# Altium PCB rezerv.PcbDoc (part 1 of 2)
Units mm, origin at the board's own origin, x right, y up, seen from the top; angles counter-clockwise.
Board outline 180 x 100 mm, 4 copper layers (Top Layer 1, Signal1, Signal2, Bottom Layer 1), stack 2.572 mm thick; 321 components, 212 nets, 1103 pads, 27 vias.
Unrouted connection lines stored in the file: 320.
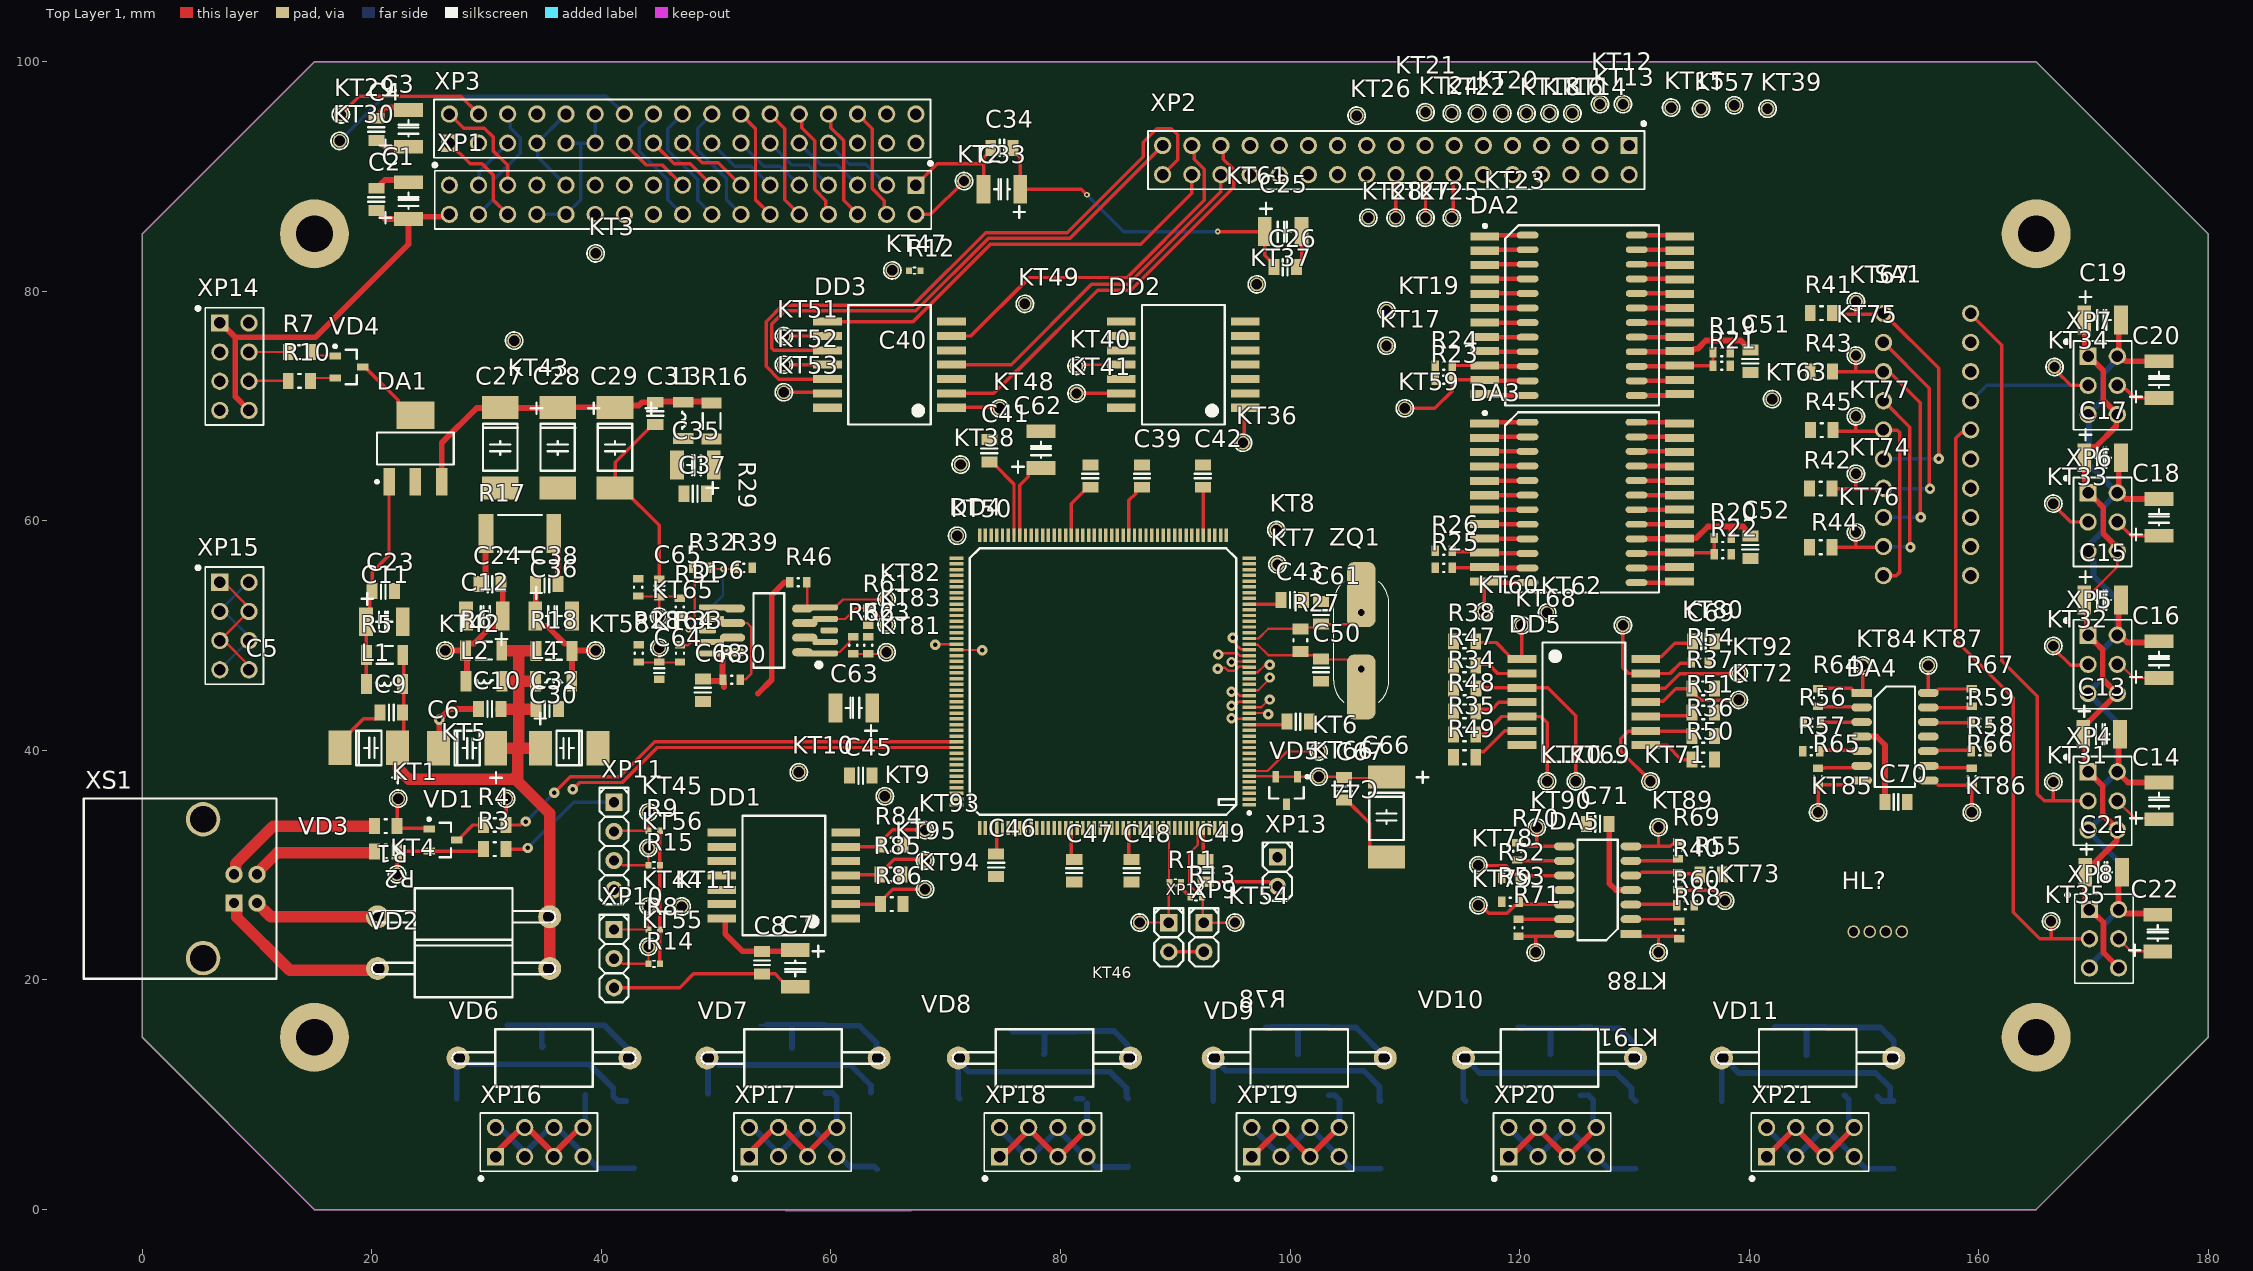
[diagram p0: Top Layer 1 view]
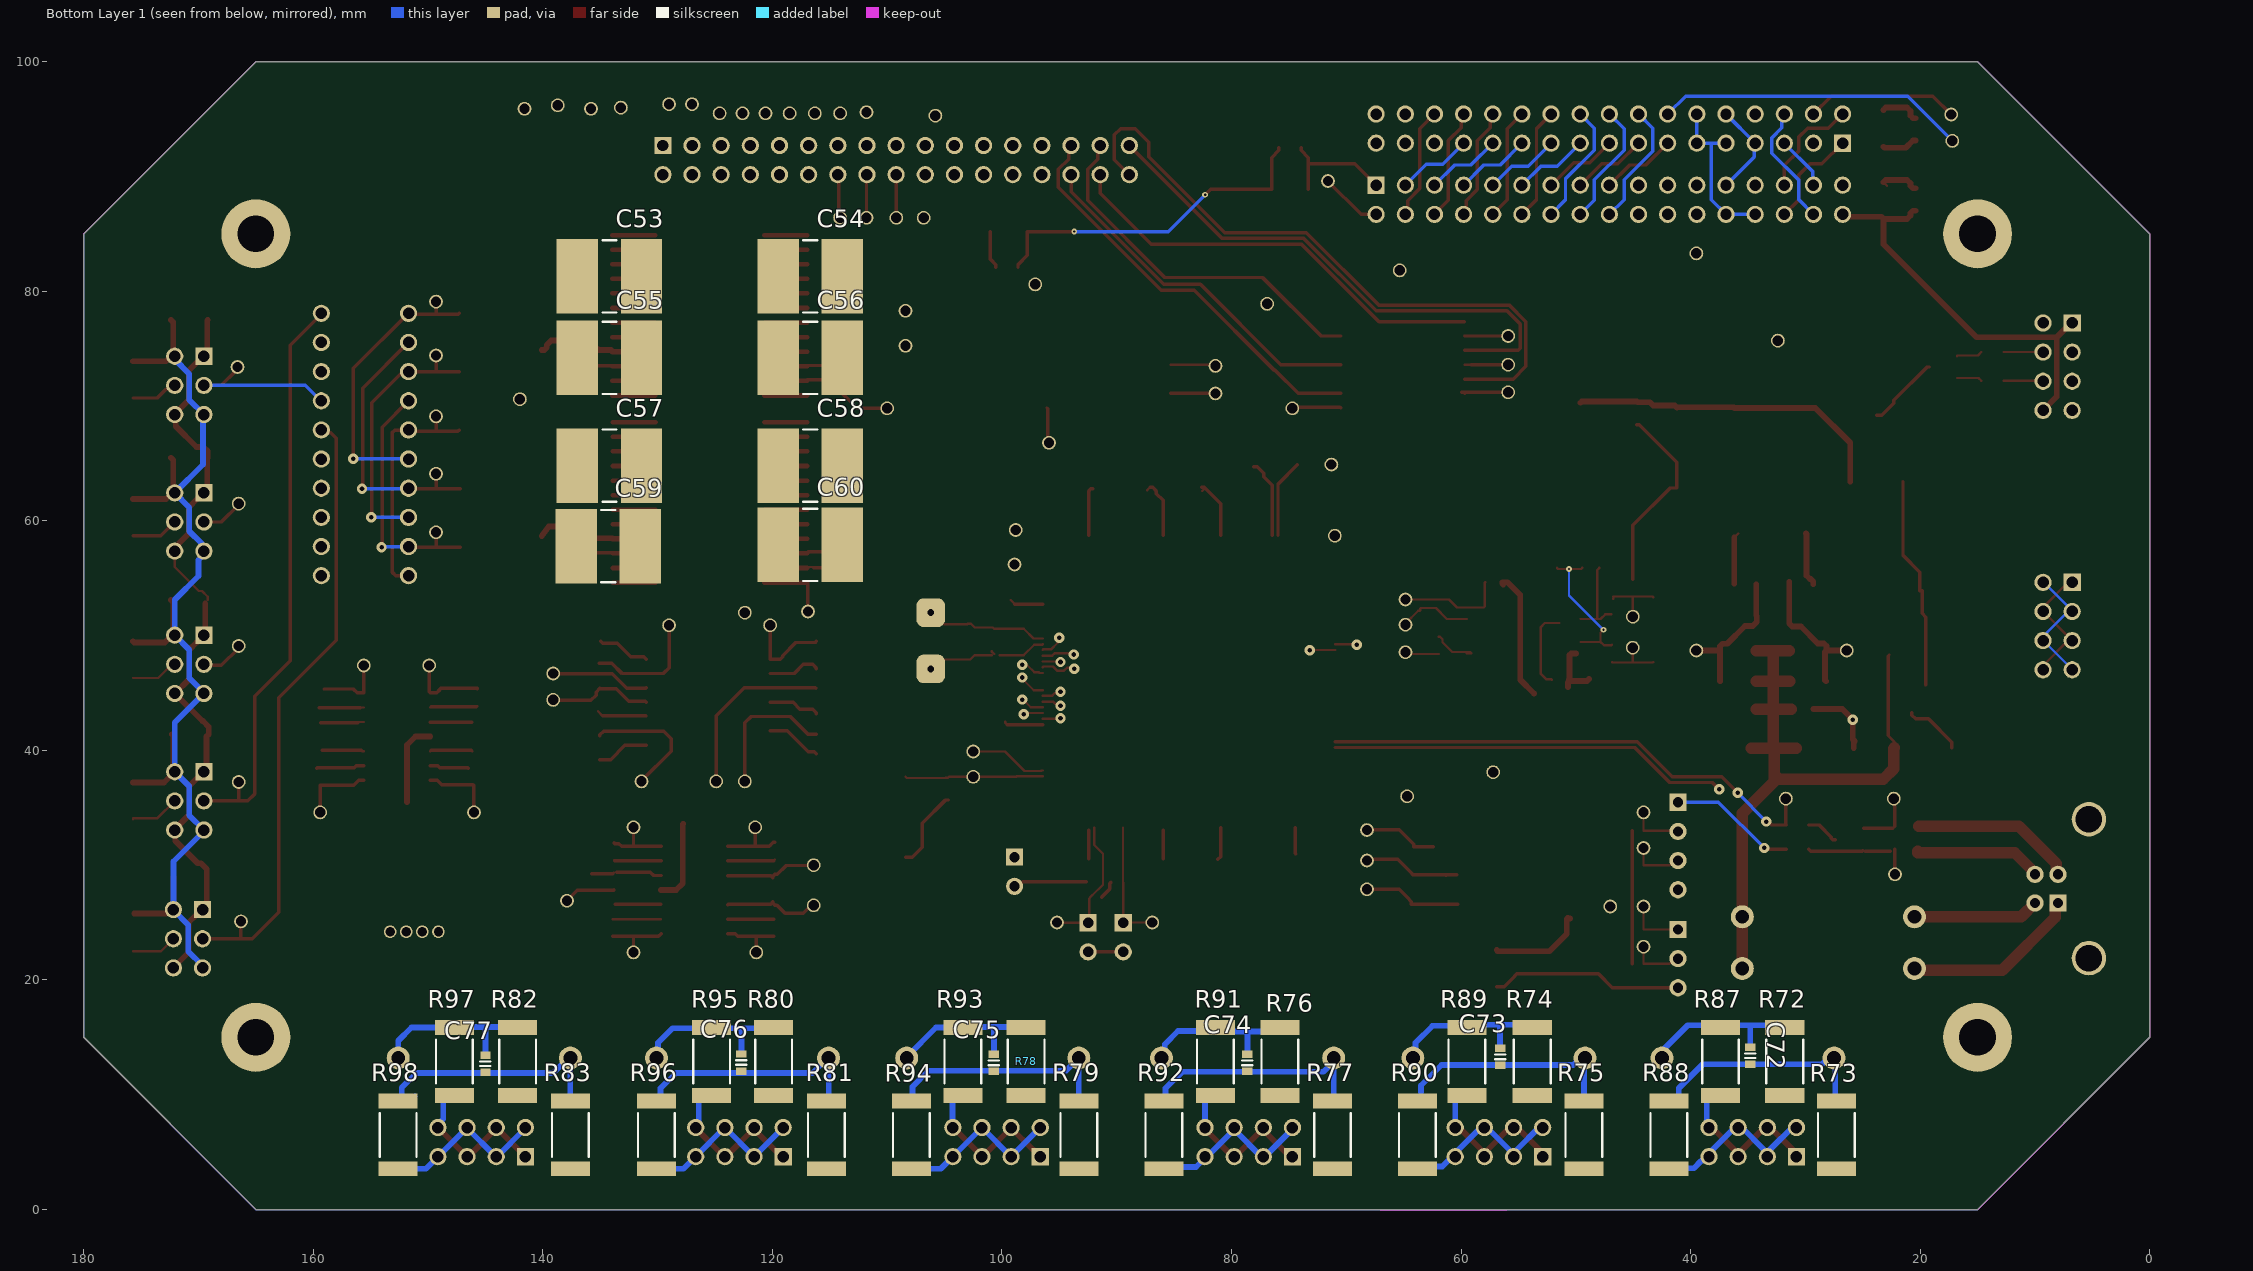
[diagram p1: Bottom Layer 1 view, seen from below]
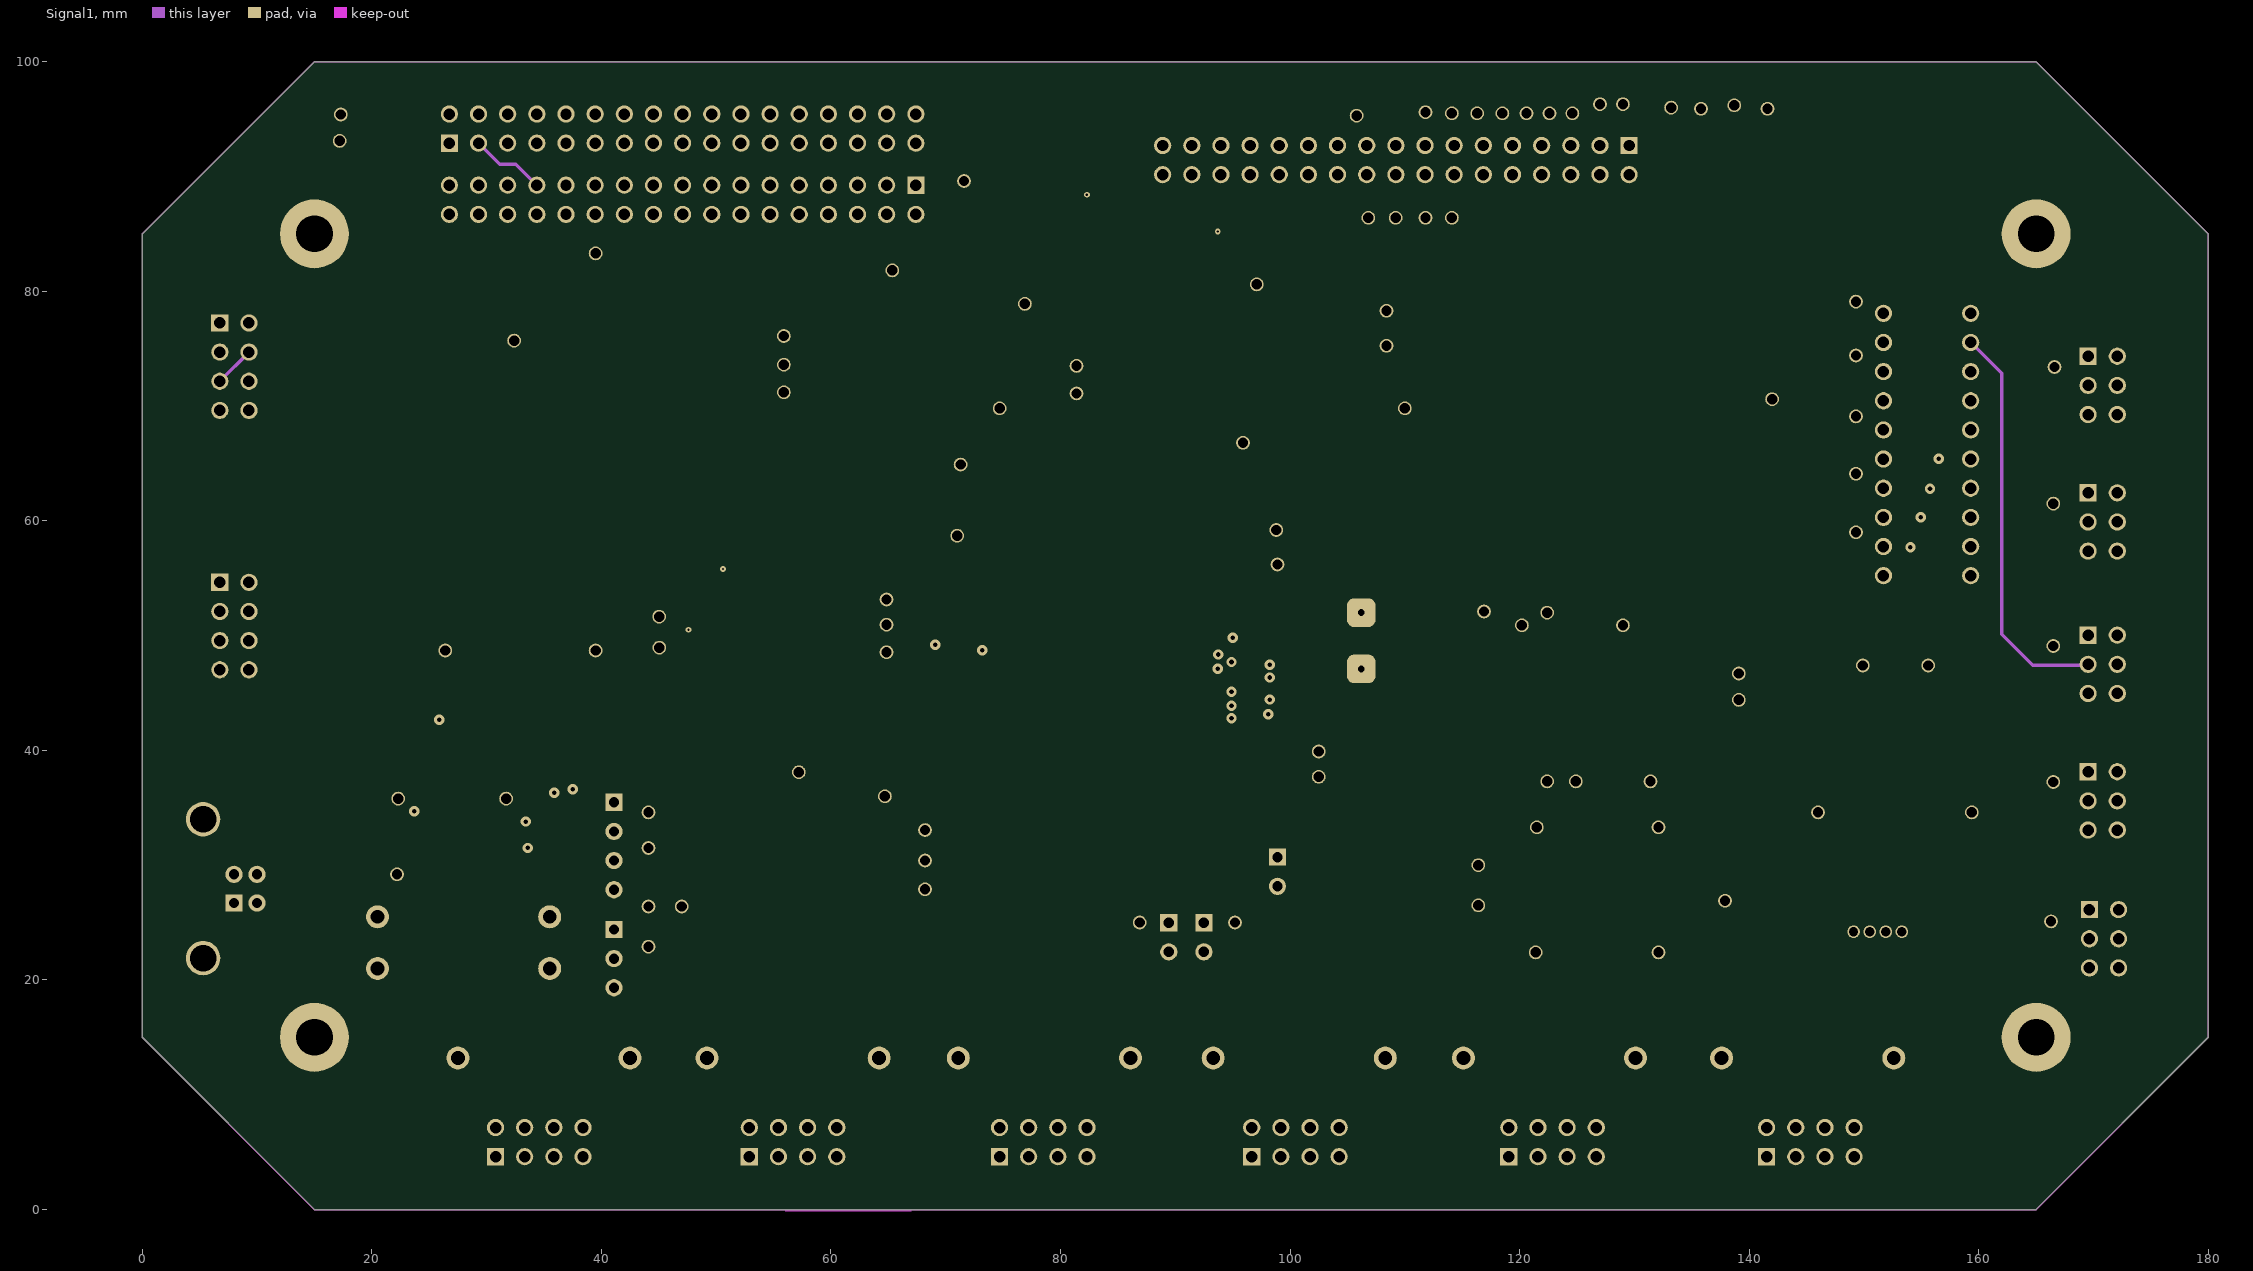
[diagram p2: Signal1]
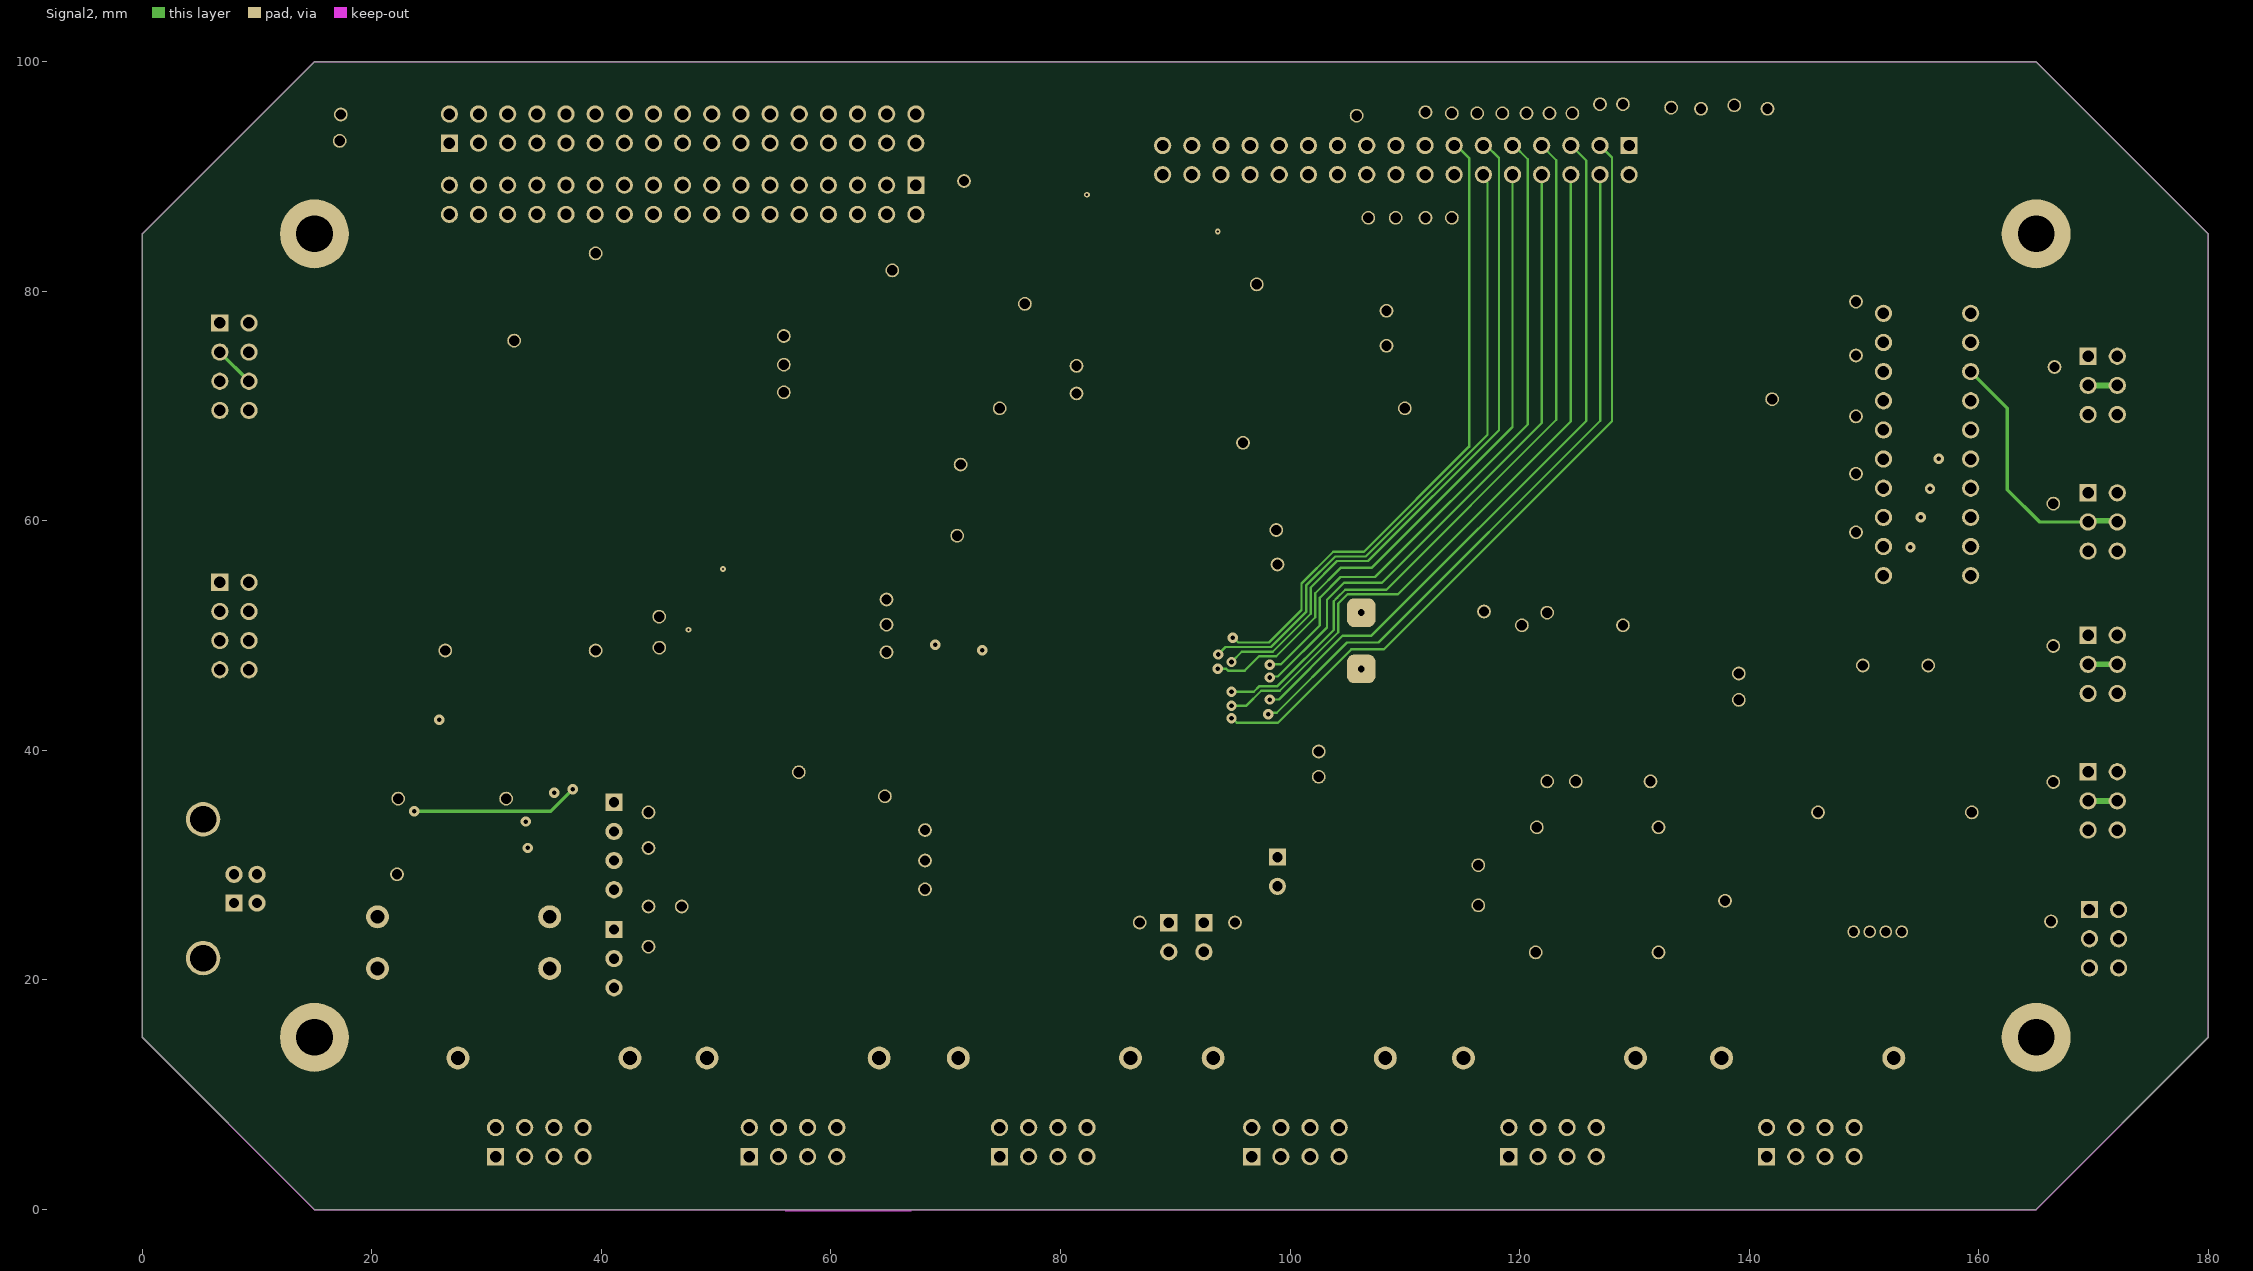
[diagram p3: Signal2]

## Layer stack, top to bottom
Top Solder: solder mask 0.0102, Solder Resist, Dk 3.5
Top Layer 1: signal copper 0.018
Dielectric 2: core 1, PP-006, Dk 4.1
Signal1: signal copper 0.018
Dielectric 1: prepreg 0.5, FR-4, Dk 4.8
Signal2: signal copper 0.018
Dielectric 3: core 1, PP-006, Dk 4.1
Bottom Layer 1: signal copper 0.018
Bottom Solder: solder mask 0.0102, Solder Resist, Dk 3.5

## Board outline
0,15 15,0 165,0 180,15 180,85 165,100 15,100 0,85

## Design rules (kind name [scope] priority, off if disabled: settings)
Clearance [All] p1: gap=0.2 ignorepadtopadclearanceinfootprint=FALSE except(0: Arc-Hole Track-Hole SMDPad-Hole THPad-Hole Via-Hole Fill-Hole Poly-Hole Region-Hole Text-Hole)
PlaneConnect [All] p1: planeconnectstyle=Direct reliefexpansion=0.508 reliefentries=4 reliefconductorwidth=0.254 reliefairgap=0.254
PolygonConnect [All] p1: connectstyle=Direct reliefconductorwidth=0.254 reliefentries=4 polygonreliefangle="90 Angle" airgapwidth=0.254
RoutingVias [All] p1: holewidth=0.3 width=0.7 viastyle="Through Hole" minholewidth=0.2 minwidth=0.5 maxholewidth=0.7 maxwidth=1.5
SolderMaskExpansion [All] p1: expansion=0.05 istentingtop=FALSE
Width Width_1 [All] p1: maxlimit=1 minlimit=0.15 preferedwidth=0.3
29 further rules are at their usual default settings.

## Components (designator, comment, footprint, x,y, rotation, side; value= is the part's Value field where it differs from the comment)
C1 "PolCap" CapCaseB 23.2,87.9 r0 top value=4,7мк
C2 "Capacitor" Cap0805 20.4,88 r0 top value=0,1мк
C3 "PolCap" CapCaseB 23.2,94.2 r0 top value=4,7мк
C4 "Capacitor" Cap0805 20.4,94.1 r0 top value=0,1мк
C5 "PolCap" CapCaseC 19.742,40.216 r90 top value=22мк
C6 "PolCap" CapCaseC 28.3,40.2 r90 top value=22мк
C7 "PolCap" CapCaseB 56.9,21 r180 top value=4,7мк
C8 "Capacitor" Cap0805 54,21.5 r0 top value=0,1мк
C9 "Capacitor" Cap0805 21.7,43.3 r90 top value=0,1мкФ
C10 "Capacitor" Cap0805 30.275,43.6 r90 top value=0,1мкФ
C11 "PolCap" CapCaseB 21.1,51.2 r270 top value=4,7мк
C12 "PolCap" CapCaseB 29.8,51.7 r90 top value=4,7мк
C13 "PolCap" CapCaseB 170.7,41.4 r270 top value=4,7мк
C14 "PolCap" CapCaseB 175.7,35.6 r0 top value=2,2мк
C15 "PolCap" CapCaseB 170.8,53.1 r270 top value=4,7мк
C16 "PolCap" CapCaseB 175.7,47.9 r0 top value=2,2мк
C17 "PolCap" CapCaseB 170.8,65.5 r270 top value=4,7мк
C18 "PolCap" CapCaseB 175.7,60.3 r0 top value=2,2мк
C19 "PolCap" CapCaseB 170.8,77.5 r270 top value=4,7мк
C20 "PolCap" CapCaseB 175.7,72.3 r0 top value=2,2мк
C21 "PolCap" CapCaseB 170.885,29.388 r270 top value=4,7мк
C22 "PolCap" CapCaseB 175.585,24.088 r0 top value=2,2мк
C23 "Capacitor" Cap0805 21,53.9 r270 top value=0,1мкФ
C24 "Capacitor" Cap0805 30.292,54.483 r90 top value=0,1мкФ
C25 "PolCap" CapCaseB 99.4,85.2 r270 top value=4,7мк
C26 "Capacitor" Cap0805 99.575,82.1 r90 top value=0,1мк
C27 "PolCap" CapCaseD 31.193,66.358 r180 top value=330мк
C28 "PolCap" CapCaseD 36.193,66.358 r180 top value=330мк
C29 "PolCap" CapCaseD 41.193,66.358 r180 top value=330мк
C30 "PolCap" CapCaseC 37.2,40.2 r270 top value=22мк
C31 "Capacitor" Cap0805 44.693,69.358 r180 top value=0,1мкФ
C32 "Capacitor" Cap0805 35.275,43.6 r270 top value=0,1мкФ
C33 "PolCap" CapCaseB 74.9,88.9 r90 top value=4,7мк
C34 "Capacitor" Cap0805 74.9,92.5 r270 top value=0,1мк
C35 "PolCap" CapCaseB 48.193,64.858 r90 top value=4,7мк
C36 "PolCap" CapCaseB 35.837,51.712 r270 top value=4,7мк
C37 "Capacitor" Cap0805 48.168,62.358 r90 top value=0,1мкФ
C38 "Capacitor" Cap0805 35.251,54.483 r270 top value=0,1мкФ
C39 "Capacitor" Cap0805 87.1,63.9 r0 top value=0,1мк
C40 "Capacitor" Cap0805 82.6,63.9 r0 top value=0,1мк
C41 "Capacitor" Cap0805 73.8,66.1 r0 top value=0,1мк
C42 "Capacitor" Cap0805 92.4,63.9 r0 top value=0,1мк
C43 "Capacitor" Cap0805 100.2,53.1 r270 top value=0,1мк
C44 "Capacitor" Cap0805 100.7,42.5 r270 top value=0,1мк
C45 "Capacitor" Cap0805 62.6,37.8 r90 top value=0,1мк
C46 "Capacitor" Cap0805 74.4,30 r180 top value=0,1мк
C47 "Capacitor" Cap0805 81.2,29.525 r180 top value=0,1мк
C48 "Capacitor" Cap0805 86.2,29.525 r180 top value=0,1мк
C49 "Capacitor" Cap0805 92.647,29.534 r180 top value=0,01мк
C50 "Capacitor" Cap0805 102.7,47 r180 top value=16
C51 "Capacitor" Cap0805 140.1,73.9 r0 top value=0,1мкФ
C52 "Capacitor" Cap0805 140.1,57.7 r0 top value=0,1мкФ
C53 "Capacitor" CAP8060M 134.2,81.3 r180 bottom value=2,2мк
C54 "Capacitor" CAP8060M 116.7,81.3 r0 bottom value=2,2мк
C55 "Capacitor" CAP8060M 134.2,74.2 r180 bottom value=2,2мк
C56 "Capacitor" CAP8060M 116.7,74.2 r0 bottom value=2,2мк
C57 "Capacitor" CAP8060M 134.2,64.8 r180 bottom value=2,2мк
C58 "Capacitor" CAP8060M 116.7,64.8 r0 bottom value=2,2мк
C59 "Capacitor" CAP8060M 134.3,57.8 r180 bottom value=2,2мк
C60 "Capacitor" CAP8060M 116.7,57.9 r0 bottom value=2,2мк
C61 "Capacitor" Cap0805 102.7,52 r0 top value=16
C62 "PolCap" CapCaseB 78.3,66.2 r0 top value=2,2мк
C63 "PolCap" CapCaseB 62,43.7 r90 top value=2,2мк
C64 "Capacitor" Cap0603 45.046,46.95 r180 top value=10
C65 "Capacitor" Cap0603 45.046,54.15 r0 top value=10
C66 "PolCap" CapCaseD 108.4,34.2 r180 top value=330мк
C67 "Capacitor" Cap0805 104.692,36.653 r180 top value=0,1мкФ
C68 "Capacitor" Cap0805 48.846,45.25 r180 top value=0,1мк
C69 "Capacitor" Cap0805 136.025,49.5 r270 top value=0,1мкФ
C70 "Capacitor" Cap0805 152.8,35.5 r270 top value=0,1мкФ
C71 "Capacitor" Cap0805 126.8,33.6 r90 top value=0,1мкФ
C72 "Capacitor" Cap0603 34.8,13.4 r0 bottom value=10
C73 "Capacitor" Cap0603 56.6,13.3 r0 bottom value=10
C74 "Capacitor" Cap0603 78.632,12.78 r0 bottom value=10
C75 "Capacitor" Cap0603 100.7,12.78 r0 bottom value=10
C76 "Capacitor" Cap0603 122.7,12.8 r0 bottom value=10
C77 "Capacitor" Cap0603 145,12.7 r0 bottom value=10
DA1 "LM2937IMP-3.3" SOT223 23.8,66.3 r90 top
DA2 "1315PT24" 4118.24-2_SOIC24 125.45,77.905 r0 top
DA3 "1315PT24" 4118.24-2_SOIC24 125.436,61.604 r0 top
DA4 "AD824" SOIC14 152.7,41.2 r0 top
DA5 "AD824" SOIC14 126.8,27.83 r180 top
DD1 "1533LN1" 401.14-5 55.9,29.1 r180 top
DD2 "1533LN1" 401.14-5 90.7,73.6 r180 top
DD3 "1533LN1" 401.14-5 65.1,73.6 r180 top
DD4 "STM32F407IGT6" LQFP176 83.7,46 r180 top
DD5 "1533LN1" 401.14-5 125.6,44.2 r0 top
DD6 "5559IN10U" H02.8-1B_SOIC8 54.546,50.35 r180 top
HL? "LED-RGB_C" BL-L515 149.1,24.2 r0 top
KT1 "Kont" TESTPOINT 22.3,35.8 r180 top
KT2 "Kont" TESTPOINT 71.6,89.6 r90 top
KT3 "Kont" TESTPOINT 39.5,83.3 r90 top
KT4 "Kont" TESTPOINT 22.2,29.2 r270 top
KT5 "Kont" TESTPOINT 31.7,35.8 r90 top
KT6 "Kont" TESTPOINT 102.5,39.9 r90 top
KT7 "Kont" TESTPOINT 98.9,56.2 r90 top
KT8 "Kont" TESTPOINT 98.8,59.2 r90 top
KT9 "Kont" TESTPOINT 64.7,36 r90 top
KT10 "Kont" TESTPOINT 57.2,38.1 r90 top
KT11 "Kont" TESTPOINT 47,26.4 r90 top
KT12 "Kont" TESTPOINT 129,96.3 r90 top
KT13 "Kont" TESTPOINT 127,96.3 r90 top
KT14 "Kont" TESTPOINT 124.6,95.5 r90 top
KT15 "Kont" TESTPOINT 133.2,96 r90 top
KT16 "Kont" TESTPOINT 122.6,95.5 r90 top
KT17 "Kont" TESTPOINT 108.4,75.25 r90 top
KT18 "Kont" TESTPOINT 120.6,95.5 r90 top
KT19 "Kont" TESTPOINT 108.4,78.3 r90 top
KT20 "Kont" TESTPOINT 118.5,95.5 r270 top
KT21 "Kont" TESTPOINT 116.3,95.5 r270 top
KT22 "Kont" TESTPOINT 114.1,95.5 r90 top
KT23 "Kont" TESTPOINT 114.1,86.4 r90 top
KT24 "Kont" TESTPOINT 111.8,95.6 r90 top
KT25 "Kont" TESTPOINT 111.8,86.4 r90 top
KT26 "Kont" TESTPOINT 105.8,95.3 r90 top
KT27 "Kont" TESTPOINT 109.2,86.4 r90 top
KT28 "Kont" TESTPOINT 106.822,86.4 r90 top
KT29 "Kont" TESTPOINT 17.3,95.4 r90 top
KT30 "Kont" TESTPOINT 17.2,93.1 r90 top
KT31 "Kont" TESTPOINT 166.5,37.25 r270 top
KT32 "Kont" TESTPOINT 166.5,49.1 r270 top
KT33 "Kont" TESTPOINT 166.5,61.5 r270 top
KT34 "Kont" TESTPOINT 166.6,73.4 r270 top
KT35 "Kont" TESTPOINT 166.3,25.1 r270 top
KT36 "Kont" TESTPOINT 95.9,66.8 r90 top
KT37 "Kont" TESTPOINT 97.1,80.6 r90 top
KT38 "Kont" TESTPOINT 71.3,64.9 r90 top
KT39 "Kont" TESTPOINT 141.6,95.9 r90 top
KT40 "Kont" TESTPOINT 81.4,73.5 r90 top
KT41 "Kont" TESTPOINT 81.4,71.1 r90 top
KT42 "Kont" TESTPOINT 26.4,48.7 r180 top
KT43 "Kont" TESTPOINT 32.4,75.7 r90 top
KT44 "Kont" TESTPOINT 44.1,26.4 r90 top
KT45 "Kont" TESTPOINT 44.1,34.6 r90 top
KT46 "Kont" TESTPOINT 86.9,25 r90 top
KT47 "Kont" TESTPOINT 65.347,81.817 r90 top
KT48 "Kont" TESTPOINT 74.7,69.8 r90 top
KT49 "Kont" TESTPOINT 76.9,78.9 r90 top
KT50 "Kont" TESTPOINT 71,58.7 r90 top
KT51 "Kont" TESTPOINT 55.9,76.1 r90 top
KT52 "Kont" TESTPOINT 55.9,73.6 r90 top
KT53 "Kont" TESTPOINT 55.9,71.2 r90 top
KT54 "Kont" TESTPOINT 95.2,25 r90 top
KT55 "Kont" TESTPOINT 44.1,22.9 r90 top
KT56 "Kont" TESTPOINT 44.1,31.5 r90 top
KT57 "Kont" TESTPOINT 135.8,95.9 r90 top
KT58 "Kont" TESTPOINT 39.5,48.7 r180 top
KT59 "Kont" TESTPOINT 110,69.8 r90 top
KT60 "Kont" TESTPOINT 116.9,52.1 r90 top
KT61 "Kont" TESTPOINT 138.7,96.2 r90 top
KT62 "Kont" TESTPOINT 122.4,52 r90 top
KT63 "Kont" TESTPOINT 142,70.6 r90 top
KT64 "Kont" TESTPOINT 45.046,48.95 r90 top
KT65 "Kont" TESTPOINT 45.035,51.651 r90 top
KT66 "Kont" TESTPOINT 102.5,37.7 r90 top
KT67 "Kont" TESTPOINT 149.3,79.1 r90 top
KT68 "Kont" TESTPOINT 120.2,50.9 r90 top
KT69 "Kont" TESTPOINT 124.9,37.3 r90 top
KT70 "Kont" TESTPOINT 122.4,37.3 r90 top
KT71 "Kont" TESTPOINT 131.4,37.3 r90 top
KT72 "Kont" TESTPOINT 139.1,44.4 r90 top
KT73 "Kont" TESTPOINT 137.9,26.9 r270 top
KT74 "Kont" TESTPOINT 149.3,64.1 r90 top
KT75 "Kont" TESTPOINT 149.3,74.4 r90 top
KT76 "Kont" TESTPOINT 149.3,59 r90 top
KT77 "Kont" TESTPOINT 149.3,69.1 r90 top
KT78 "Kont" TESTPOINT 116.4,30 r270 top
KT79 "Kont" TESTPOINT 116.4,26.5 r270 top
KT80 "Kont" TESTPOINT 129,50.9 r90 top
KT81 "Kont" TESTPOINT 64.846,48.55 r90 top
KT82 "Kont" TESTPOINT 64.846,53.15 r90 top
KT83 "Kont" TESTPOINT 64.846,50.95 r90 top
KT84 "Kont" TESTPOINT 149.9,47.4 r90 top
KT85 "Kont" TESTPOINT 146,34.6 r90 top
KT86 "Kont" TESTPOINT 159.4,34.6 r90 top
KT87 "Kont" TESTPOINT 155.6,47.4 r90 top
KT88 "Kont" TESTPOINT 132.1,22.4 r90 top
KT89 "Kont" TESTPOINT 132.1,33.3 r90 top
KT90 "Kont" TESTPOINT 121.5,33.3 r90 top
KT91 "Kont" TESTPOINT 121.4,22.4 r90 top
KT92 "Kont" TESTPOINT 139.1,46.7 r270 top
KT93 "Kont" TESTPOINT 68.2,33.057 r90 top
KT94 "Kont" TESTPOINT 68.2,27.9 r90 top
KT95 "Kont" TESTPOINT 68.2,30.4 r90 top
L1 "Ferrit" Ind1206 21.1,45.8 r270 top value=600R/100MГц
L2 "Ferrit" Ind1206 29.78,46.022 r270 top value=600R/100MГц
L3 "Ferrit" Ind1206 47.135,68.758 r0 top value=600R/100MГц
L4 "Ferrit" Ind1206 35.844,46.022 r90 top value=600R/100MГц
R1 "Resistor0125" Res0805 21.225,33.4 r90 top value=0
R2 "Resistor0125" Res0805 21.2,31.2 r90 top value=0
R3 "Resistor0125" Res0805 30.7,31.4 r270 top value=1,5к
R4 "Resistor0125" Res0805 30.7,33.5 r90 top value=100к
R5 "Resistor025" Res1206 21.124,48.323 r270 top value=100
R6 "Resistor025" Res1206 29.747,48.694 r270 top value=100